# Altium PCB PCB.PcbDoc (part 1 of 10)
Units mil, origin at the board's own origin, x right, y up, seen from the top; angles counter-clockwise.
Board outline 4370.08 x 4921.26 mil, 6 copper layers (Component Side, Ground Plane I, Signal Layer 1, Power Plane, Ground Plane II, Solder Side), stack 57.638 mil thick; 274 components, 415 nets, 1726 pads, 902 vias.
Unrouted connection lines stored in the file: 2.
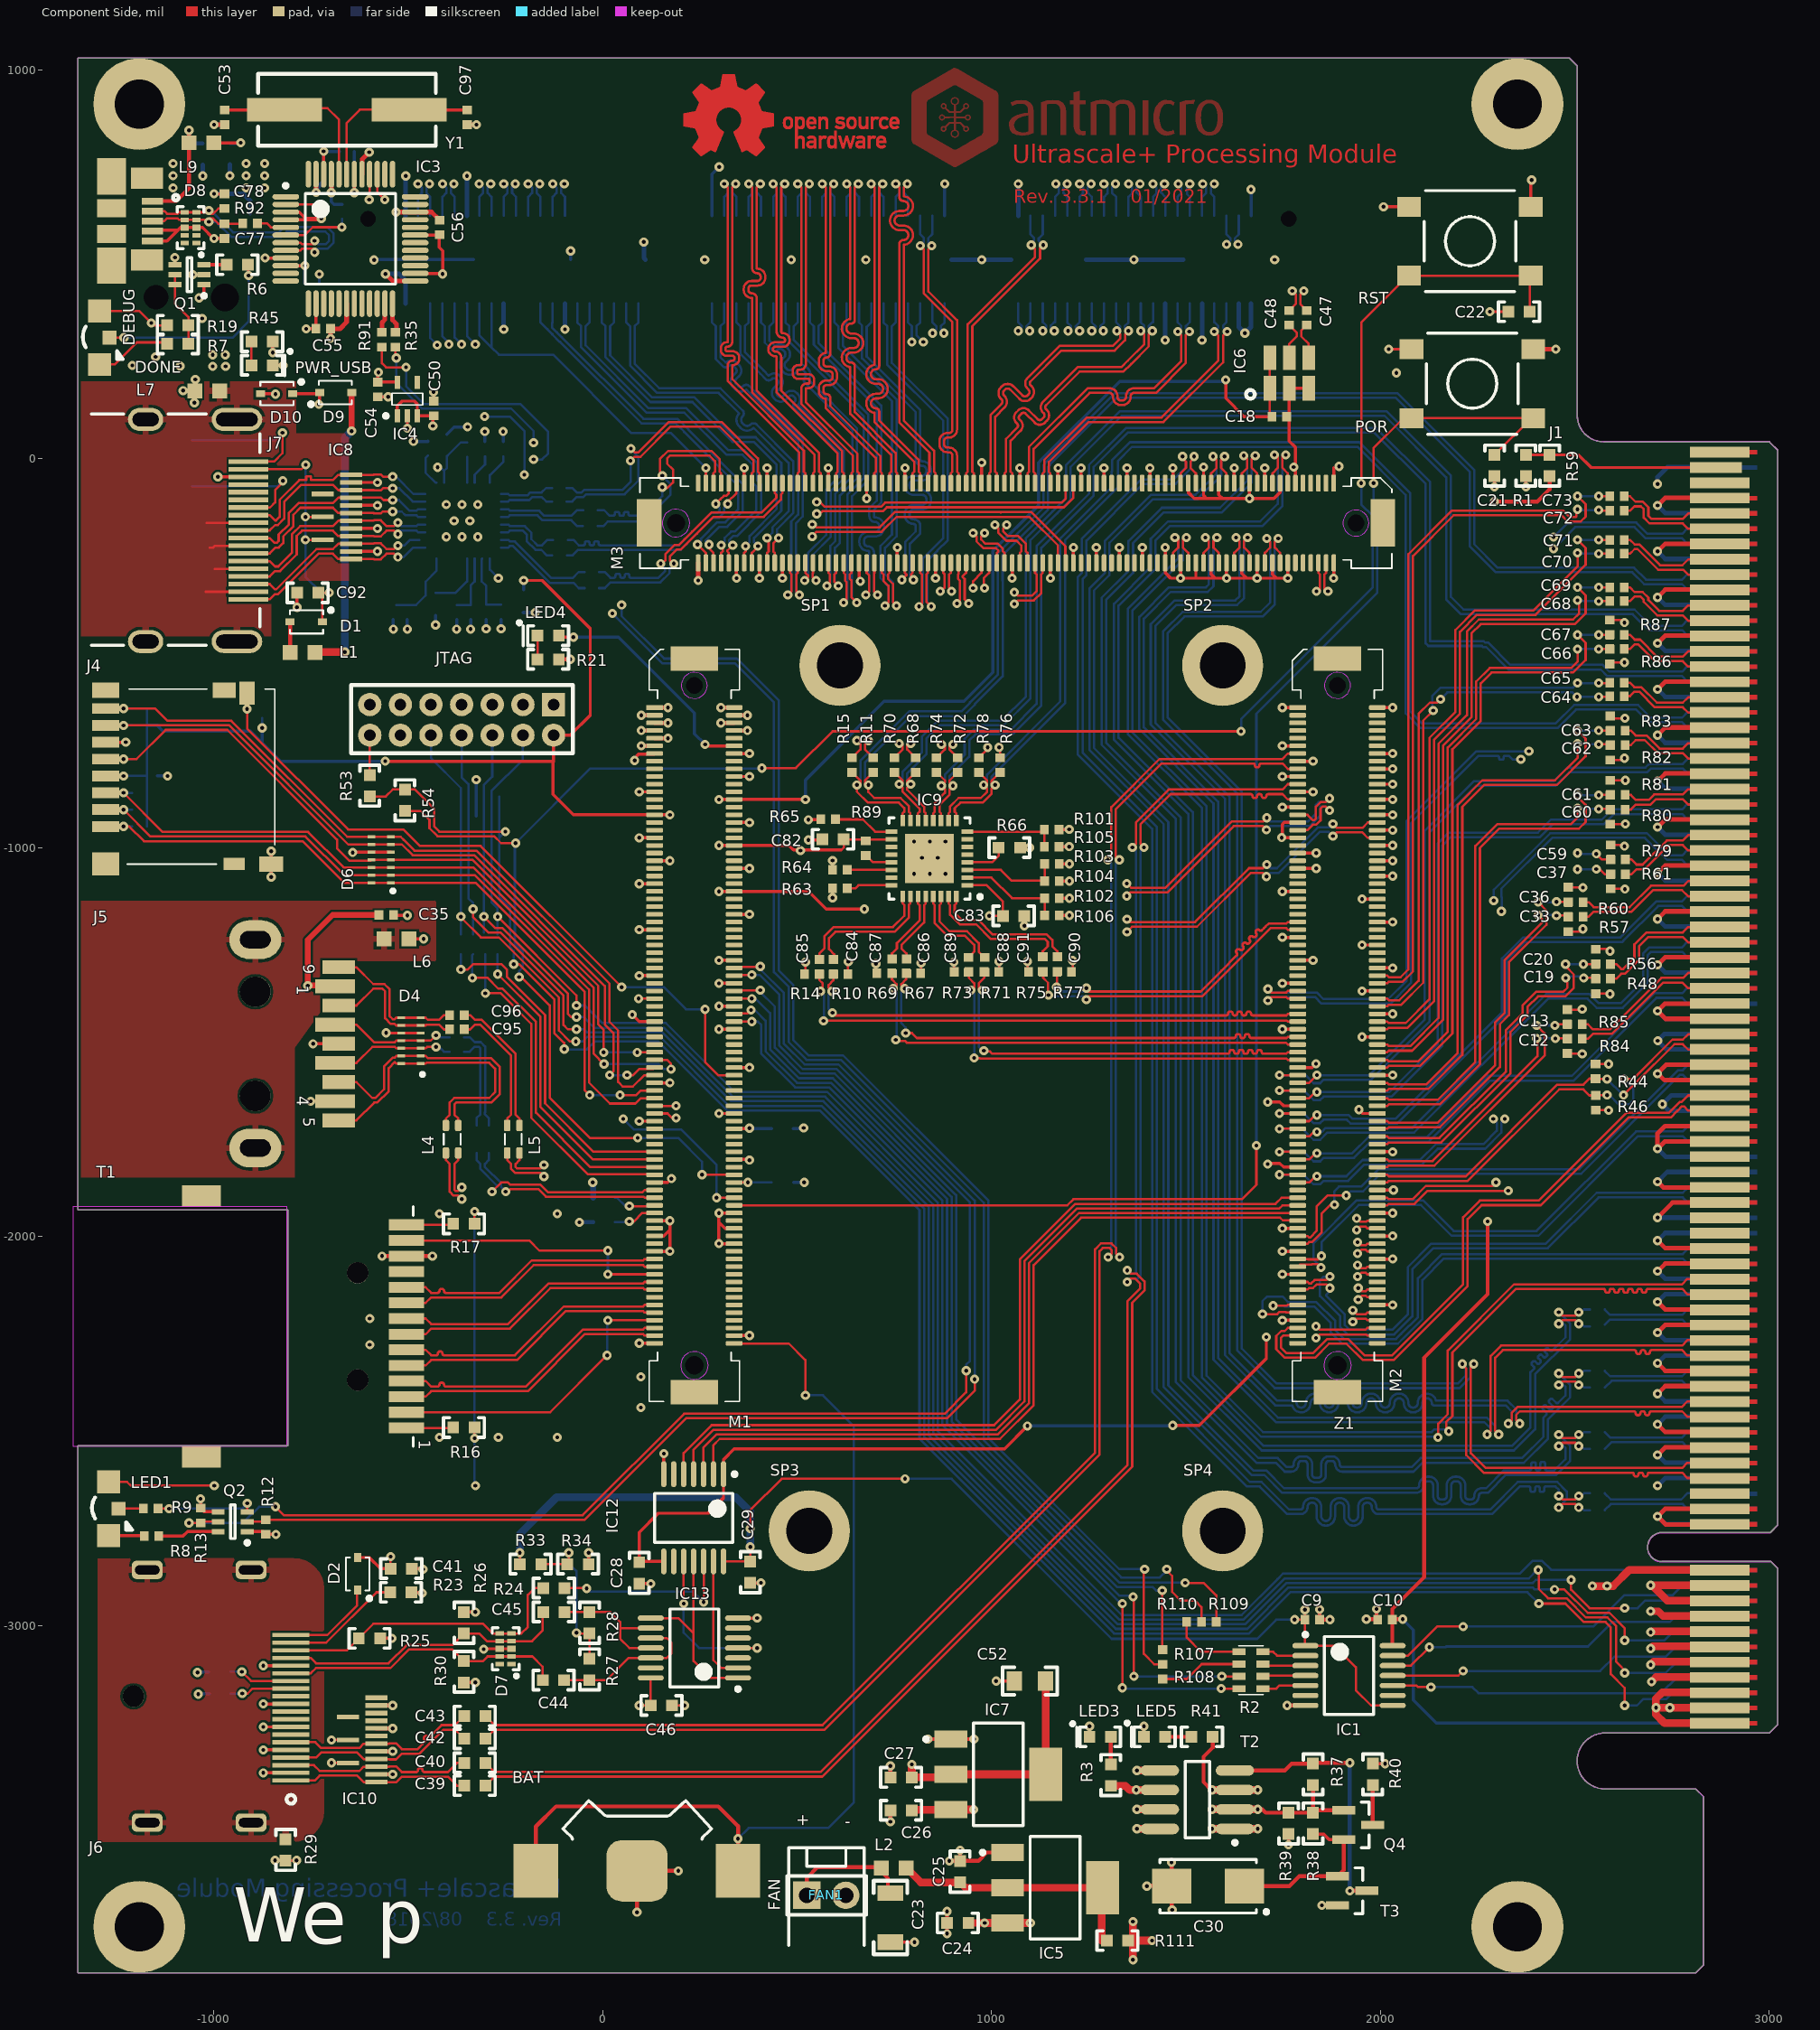
[diagram p0: Component Side view]
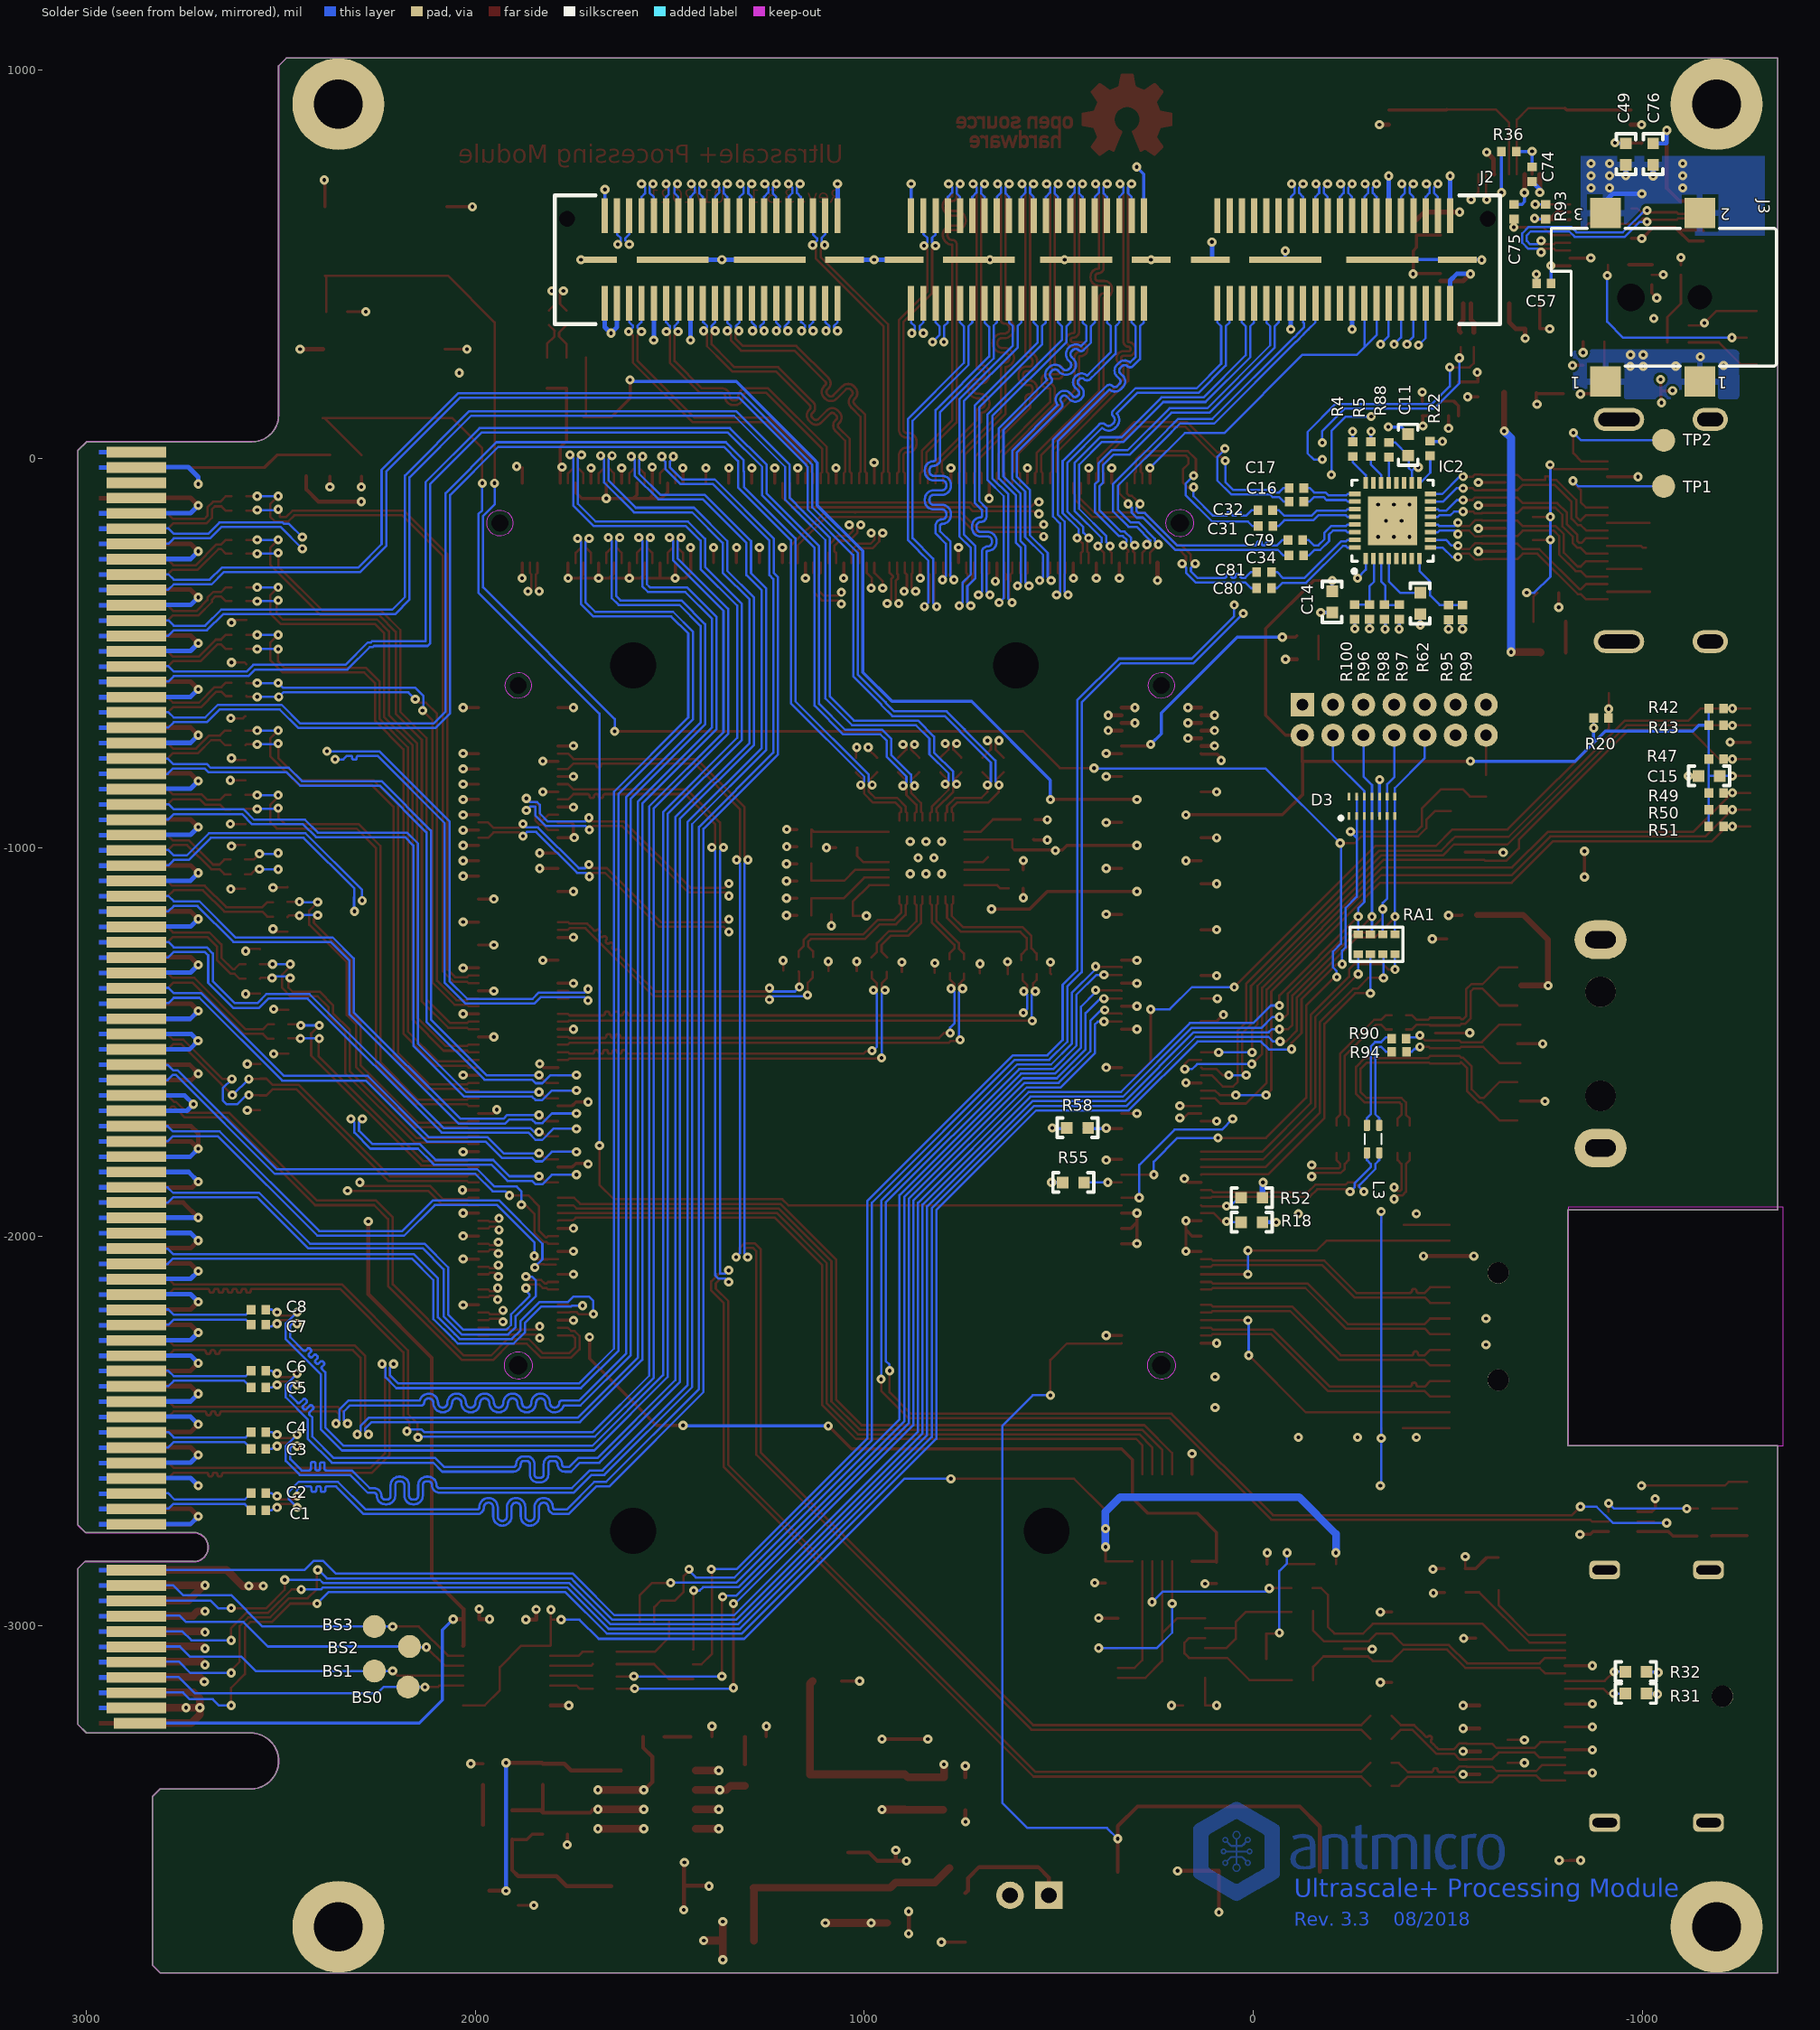
[diagram p1: Solder Side view, seen from below]
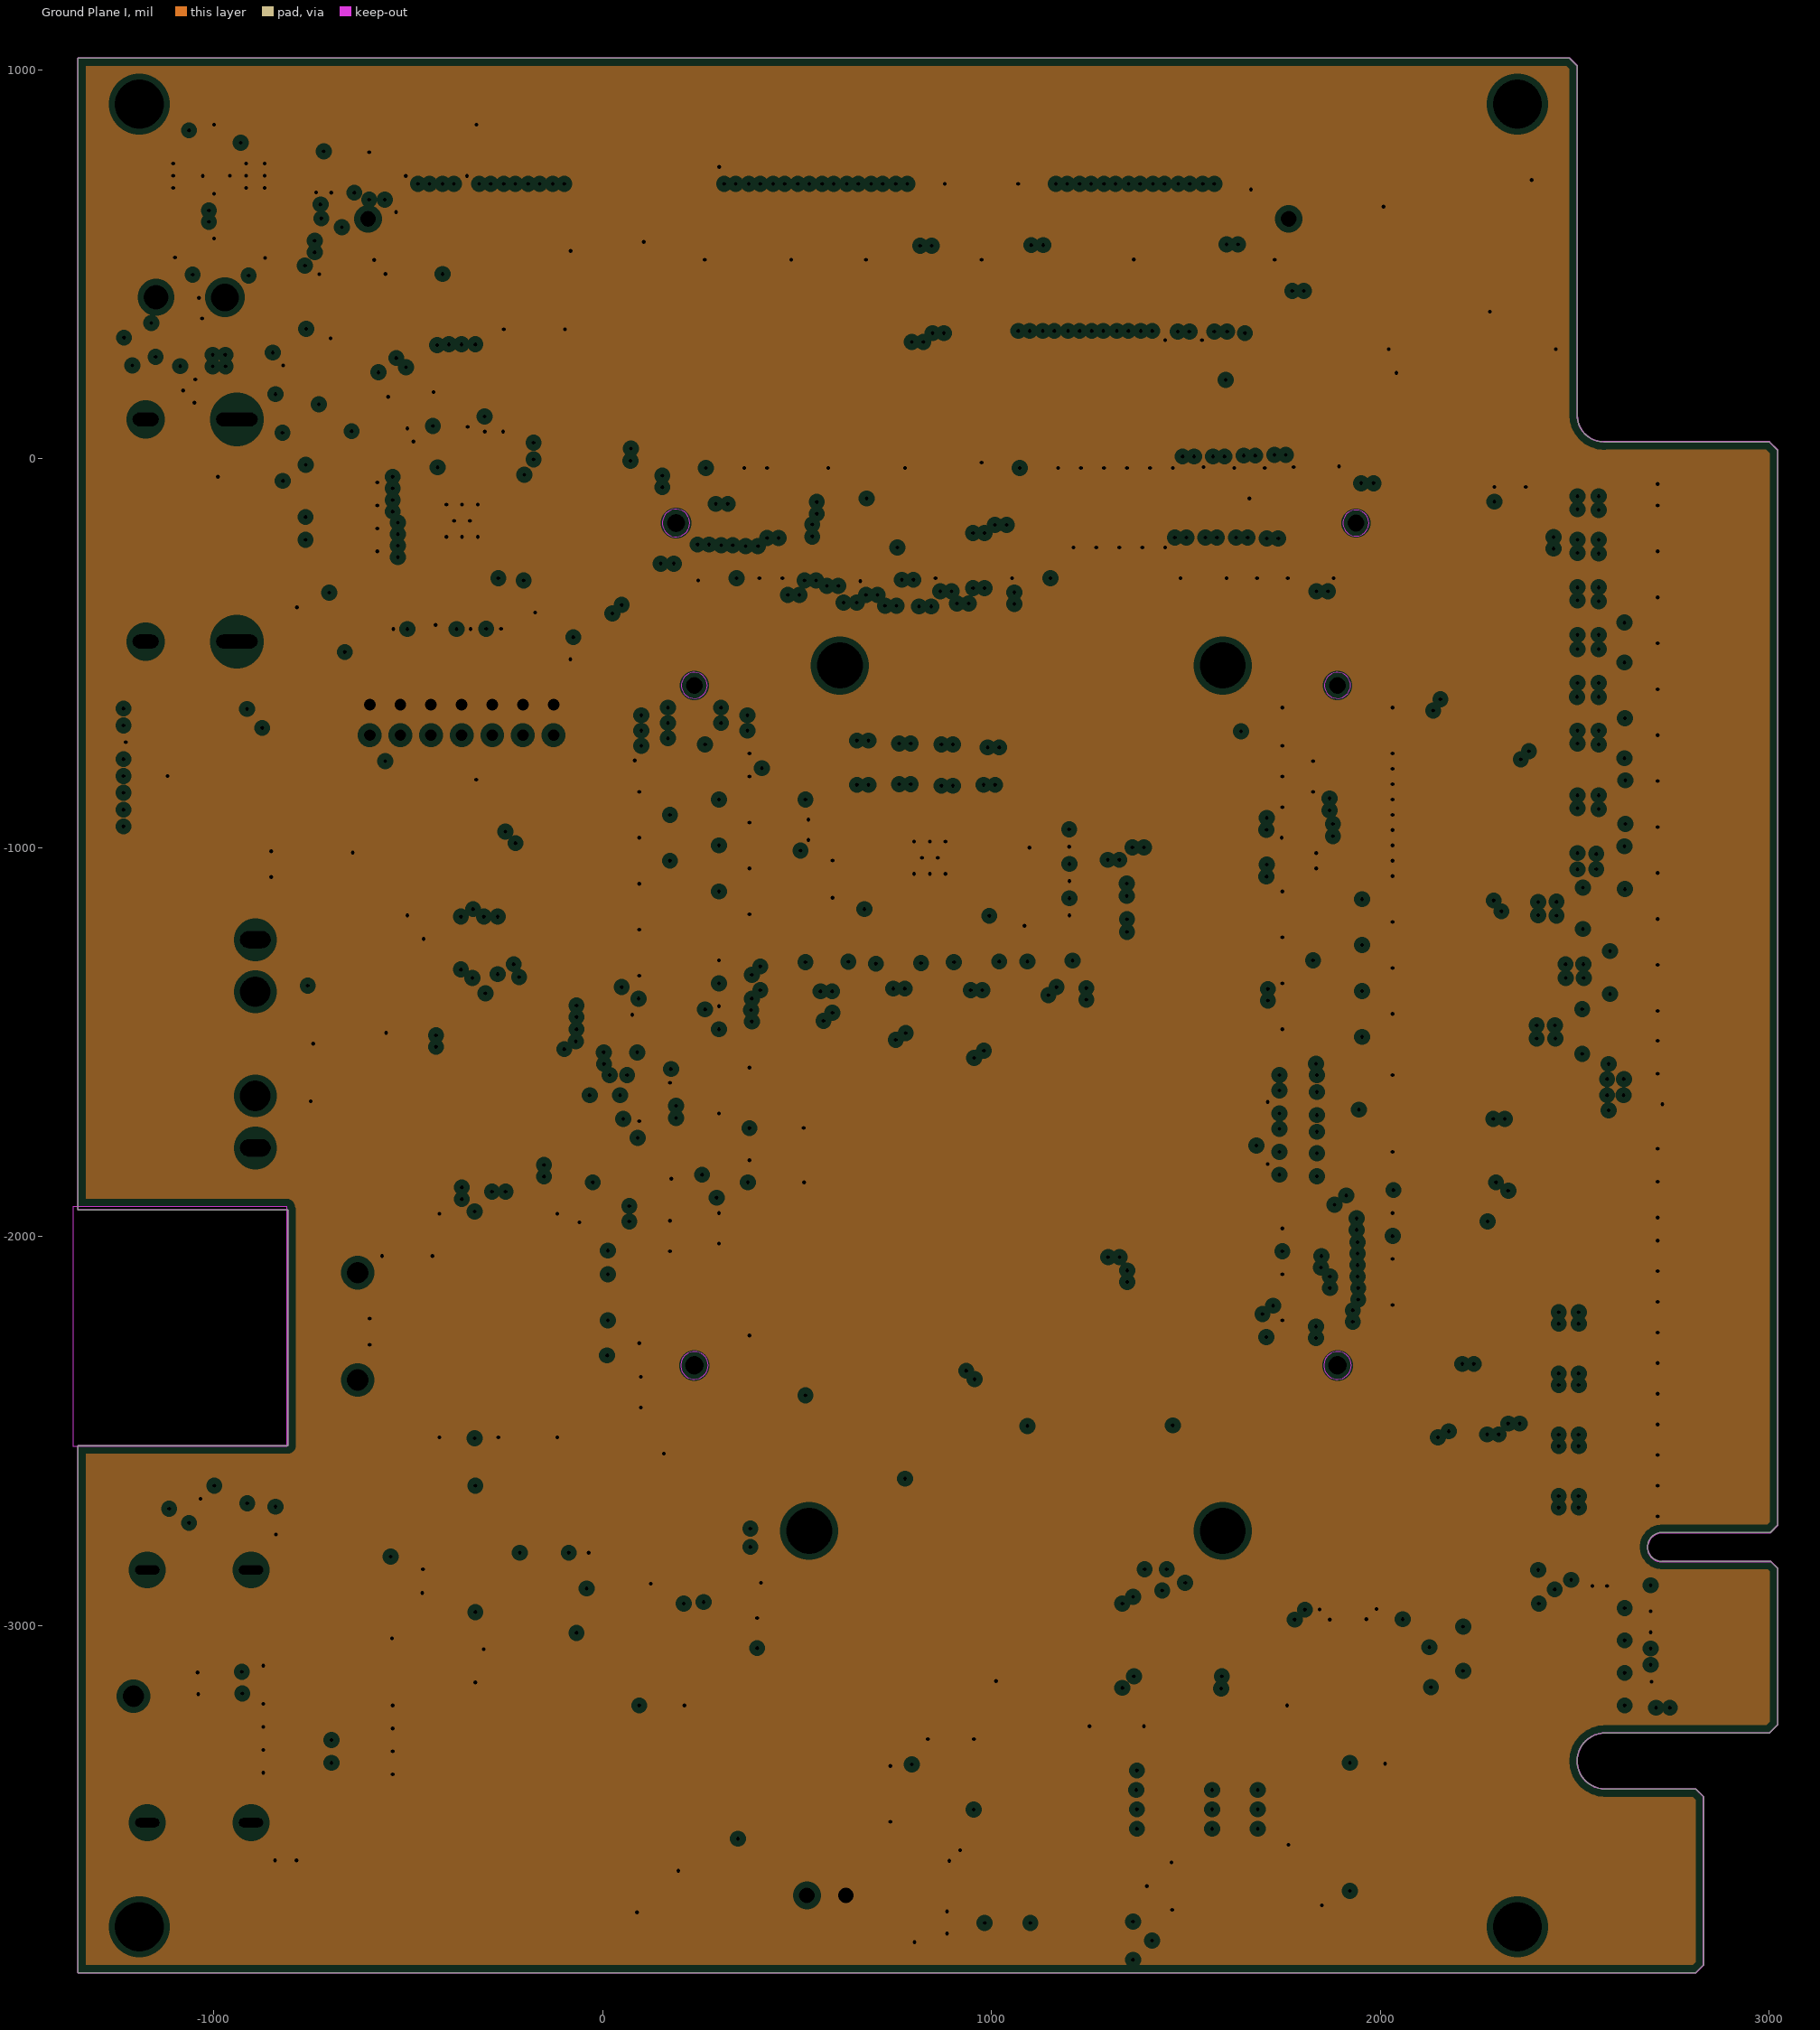
[diagram p2: Ground Plane I, clearances drawn from the general rule]